# KiCad board imx8x_carrier_v2.kicad_pcb (continued)
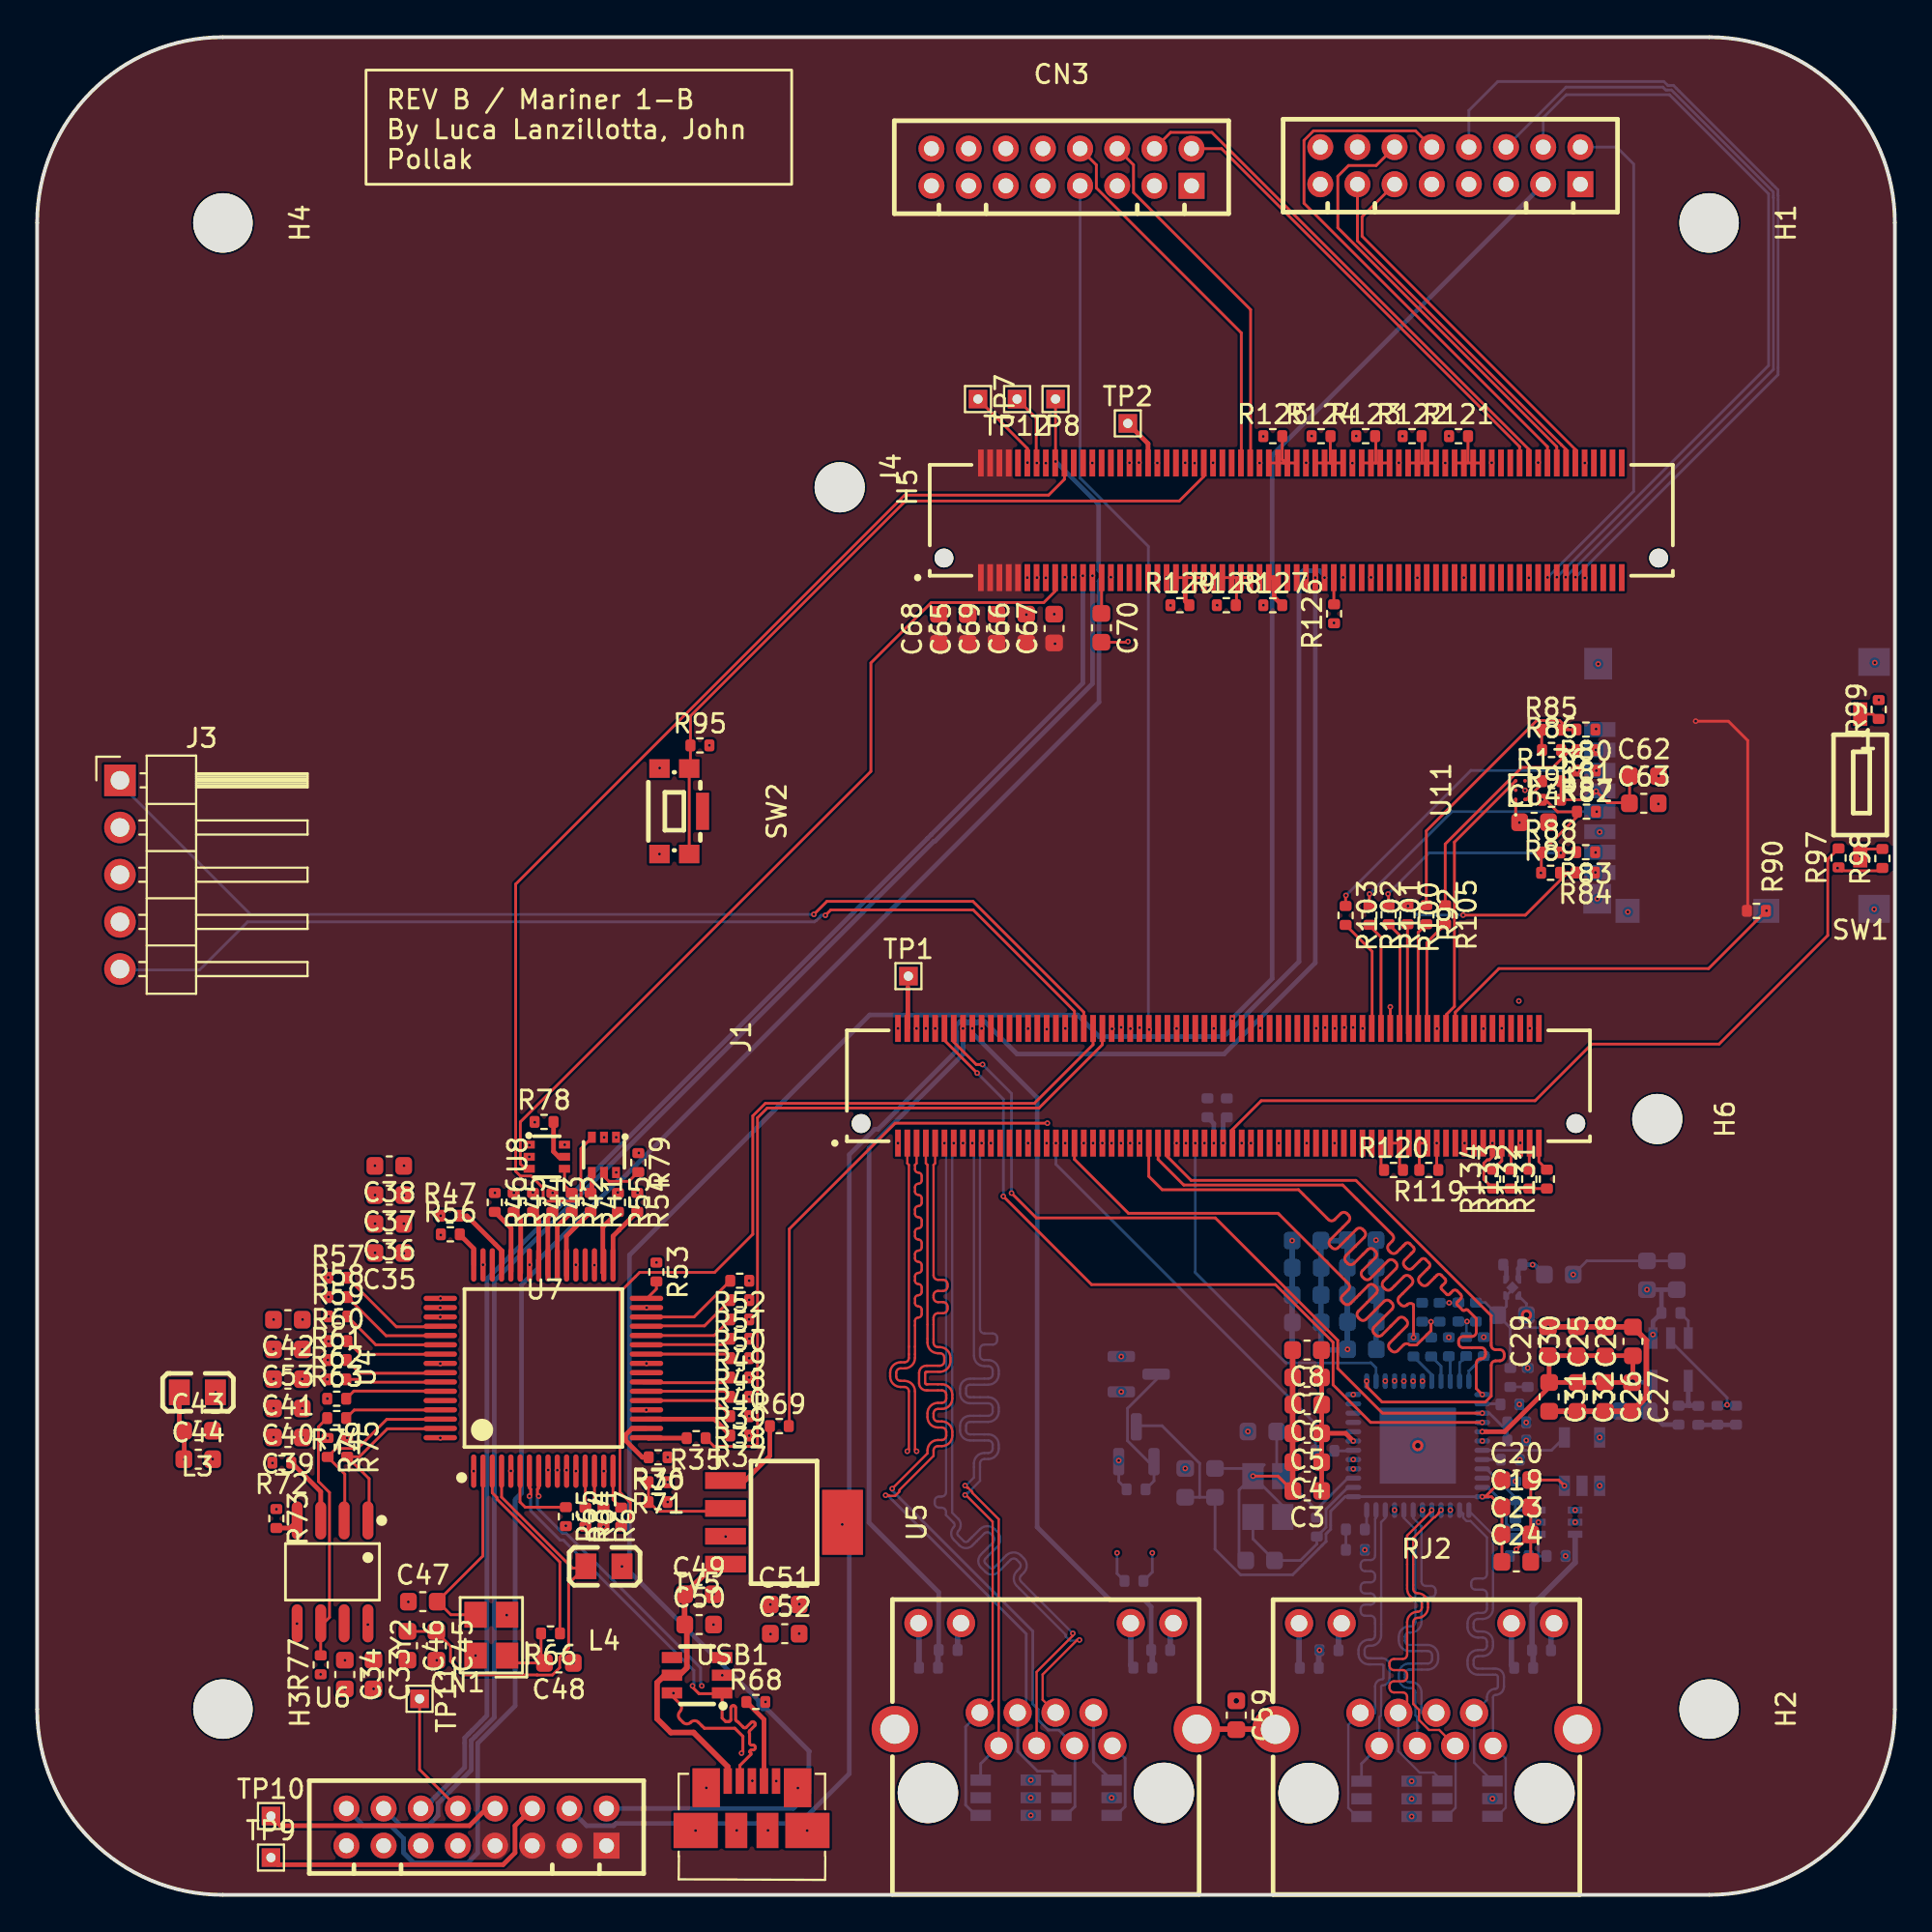
[diagram p0: board, top side]
## Routing (per net, layer and track width the routed paths; a pad name or vN(x,y) marks a point on that pad's centre or on a via; arc(x,y) is an arc through that point) (continued)
  SIG2 w0.124: RJ1.2 56.56,9.81 47.25,19.12 47.25,23.79 v1(47.34,23.88)
  SIG3 w0.15: TV1.1 56.86,7.16 RJ1.2
X_ETH0_A_TX_P: length 43.2
  SIG1 w0.124: J1.138 46.84,39.38 46.93,39.29 46.93,28.9 arc(46.86,28.74) 46.69,28.67 46.48,28.67 arc(46.08,28.5) 45.92,28.1 45.92,27.9 arc(46.08,27.5) 46.48,27.34 46.69,27.34 arc(46.86,27.27) 46.93,27.1 46.93,23.97 v1(46.84,23.88)
  SIG2 w0.124: RJ1.1 57.02,8.89 56.48,8.89 55.94,9.43 55.94,10 55.2,10.73 55.18,10.73 46.93,18.98 46.93,23.79 v1(46.84,23.88)
  SIG3 w0.15: RJ1.1 58.57,7.34 58.57,4.75 58.09,4.28 TV1.3
X_ETH0_B_TX_N: length 47.6
  SIG1 w0.124: J1.132 48.34,39.38 48.25,39.29 48.25,33.35 arc(48.32,33.18) 48.49,33.11 48.77,33.11 arc(48.94,33.04) 49.01,32.87 49.01,32.75 arc(48.94,32.58) 48.77,32.51 48.49,32.51 arc(48.32,32.44) 48.25,32.27 48.25,32.15 arc(48.32,31.98) 48.49,31.91 48.77,31.91 arc(48.94,31.84) 49.01,31.67 49.01,31.55 arc(48.94,31.38) 48.77,31.31 48.49,31.31 arc(48.32,31.24) 48.25,31.07 48.25,29.72 arc(48.32,29.55) 48.49,29.48 48.6,29.48 arc(48.99,29.32) 49.16,28.92 49.16,28.72 arc(48.99,28.32) 48.6,28.16 47.86,28.16 arc(47.82,28.14) 47.8,28.09 47.8,27.55 arc(47.82,27.5) 47.86,27.48 48.7,27.48 arc(49.1,27.32) 49.26,26.92 49.26,26.72 arc(49.1,26.32) 48.7,26.16 48.49,26.16 arc(48.32,26.09) 48.25,25.92 48.25,25.72 arc(48.32,25.55) 48.49,25.48 48.7,25.48 arc(49.1,25.32) 49.26,24.92 49.26,24.72 arc(49.1,24.32) 48.7,24.16 48.49,24.16 arc(48.32,24.09) 48.25,23.92 48.25,23.63 46.42,21.79 46.42,21.71 46.19,21.48 45.87,21.48 45.83,21.51 v1(45.67,21.51)
  SIG3 w0.15: v1(45.67,21.51) 45.78,21.51 53.24,14.05 53.24,10.27 RJ1.6 52.78,7.72 53.85,6.65 54.66,6.65 TV1.6
X_ETH0_B_TX_P: length 46.7
  SIG1 w0.124: v1(46.03,21.87) 47.93,23.76 47.93,23.92 arc(48.09,24.32) 48.49,24.48 48.7,24.48 arc(48.87,24.55) 48.94,24.72 48.94,24.92 arc(48.87,25.09) 48.7,25.16 48.49,25.16 arc(48.09,25.32) 47.93,25.72 47.93,25.92 arc(48.09,26.32) 48.49,26.48 48.7,26.48 arc(48.87,26.55) 48.94,26.72 48.94,26.92 arc(48.87,27.09) 48.7,27.16 47.86,27.16 arc(47.59,27.27) 47.48,27.55 47.48,28.09 arc(47.59,28.37) 47.86,28.48 48.6,28.48 arc(48.76,28.55) 48.83,28.72 48.83,28.92 arc(48.76,29.09) 48.6,29.16 48.49,29.16 arc(48.09,29.32) 47.93,29.72 47.93,39.29 47.84,39.38 J1.134
  SIG3 w0.15: v1(46.03,21.87) 46.03,21.76 53.6,14.19 53.6,10.27 53.88,9.98 53.88,9.42 54.43,8.87 55,8.87 RJ1.3 55.87,8 55.87,4.75 55.39,4.28 TV1.4
X_ETH0_C_TXCLK_N: length 45.2
  SIG1 w0.124: RJ1.5 53.8,12 55.75,13.95 v1(55.75,14.08)
  SIG2 w0.15: RJ1.5 53.09,7.32 53.09,4.68 v1(53.49,4.28)
  SIG3 w0.124: v1(49.34,40.47) 49.25,40.38 49.25,20.57 49.57,20.25 49.57,20.25 arc(49.72,19.91) 49.57,19.57 arc(49.53,19.46) 49.57,19.35 49.89,19.04 arc(50,18.99) 50.11,19.04 50.75,19.68 arc(51.15,19.85) 51.55,19.68 51.69,19.54 arc(51.86,19.14) 51.69,18.74 51.04,18.09 arc(50.99,17.97) 51.04,17.85 51.28,17.62 arc(51.39,17.57) 51.51,17.62 52.17,18.27 arc(52.56,18.43) 52.96,18.27 53.1,18.13 arc(53.27,17.73) 53.1,17.33 52.97,17.19 arc(52.9,17.03) 52.97,16.86 v1(55.75,14.08)
X_ETH0_C_TXCLK_P: length 45.2
  SIG1 w0.124: v1(56.11,13.72) 55.98,13.72 54.13,11.86 54.13,10.5 RJ1.4
  SIG2 w0.15: RJ1.4 54.82,7.51 v1(53.49,6.18)
  SIG3 w0.124: v1(56.11,13.72) 55.94,13.72 55.91,13.69 55.59,13.69 55.36,13.92 55.36,14 52.74,16.63 arc(52.57,17.03) 52.74,17.42 52.87,17.56 arc(52.94,17.73) 52.87,17.9 52.73,18.04 arc(52.56,18.11) 52.4,18.04 51.74,17.38 arc(51.39,17.24) 51.04,17.38 50.81,17.62 arc(50.66,17.97) 50.81,18.32 51.46,18.97 arc(51.53,19.14) 51.46,19.31 51.32,19.45 arc(51.15,19.52) 50.98,19.45 50.34,18.81 arc(50,18.66) 49.65,18.81 49.34,19.12 arc(49.2,19.46) 49.34,19.8 arc(49.39,19.91) 49.34,20.02 48.93,20.44 48.93,20.6 arc(48.86,20.77) 48.69,20.84 48.56,20.84 arc(48.39,20.91) 48.32,21.08 48.32,21.2 arc(48.39,21.37) 48.56,21.44 48.69,21.44 arc(48.86,21.51) 48.93,21.68 48.93,40.38 v1(48.84,40.47)
X_ETH0_D_RXDV_N: length 46.8
  SIG1 w0.124: v1(49.95,21.53) 49.99,21.53 51.43,20.08 51.43,10.5 RJ1.8
  SIG3 w0.124: v1(50.84,40.47) 50.75,40.38 50.75,30.46 arc(50.82,30.29) 50.99,30.22 51.44,30.22 arc(51.61,30.15) 51.68,29.98 51.68,29.86 arc(51.61,29.69) 51.44,29.62 50.99,29.62 arc(50.82,29.55) 50.75,29.38 50.75,29.02 arc(50.82,28.86) 50.99,28.79 51.2,28.79 arc(51.6,28.62) 51.76,28.22 51.76,28.02 arc(51.6,27.63) 51.2,27.46 50.22,27.46 arc(50.07,27.4) 50.01,27.25 50.01,27 arc(50.07,26.85) 50.22,26.79 51.2,26.79 arc(51.6,26.62) 51.76,26.22 51.76,26.02 arc(51.6,25.63) 51.2,25.46 50.22,25.46 arc(50.07,25.4) 50.01,25.25 50.01,25 arc(50.07,24.85) 50.22,24.79 51.2,24.79 arc(51.6,24.62) 51.76,24.22 51.76,24.02 arc(51.6,23.63) 51.2,23.46 50.99,23.46 arc(50.82,23.39) 50.75,23.22 50.75,22.28 50.11,21.64 50.06,21.64 v1(49.95,21.53)
  SIG3 w0.15: TV2.4 50.54,4.28 49.98,4.84 49.98,9.05 RJ1.8
X_ETH0_D_RXDV_P: length 42.8
  SIG1 w0.124: v1(49.95,22.03) 50.06,21.91 50.11,21.91 50.34,21.69 50.34,21.64 51.76,20.22 RJ1.7
  SIG3 w0.124: v1(50.34,40.47) 50.43,40.38 50.43,29.02 arc(50.59,28.63) 50.99,28.46 51.2,28.46 arc(51.37,28.39) 51.44,28.22 51.44,28.02 arc(51.37,27.86) 51.2,27.79 50.22,27.79 arc(49.84,27.63) 49.68,27.25 49.68,27 arc(49.84,26.62) 50.22,26.46 51.2,26.46 arc(51.37,26.39) 51.44,26.22 51.44,26.02 arc(51.37,25.86) 51.2,25.79 50.22,25.79 arc(49.84,25.63) 49.68,25.25 49.68,25 arc(49.84,24.62) 50.22,24.46 51.2,24.46 arc(51.37,24.39) 51.44,24.22 51.44,24.02 arc(51.37,23.86) 51.2,23.79 50.99,23.79 arc(50.59,23.62) 50.43,23.22 50.43,22.47 49.99,22.03 v1(49.95,22.03)
  SIG3 w0.15: TV2.6 50.79,7.06 RJ1.7
X_ETH0_INT: length 2.2
  SIG1 w0.25: J1.137 46.87,46.67 46.87,48.85
X_ETH0_LED0: length 39.5
  SIG3 w0.25: R29.1 59.97,15.5 59.59,15.88 57.75,15.88 53.83,19.8 53.83,42.91 50.34,46.4 v1(50.34,46.64)
  SIG3 w0.3: R27.2 60.03,13.12 R29.1
X_ETH0_LED1: length 38.1
  SIG3 w0.25: v1(49.84,46.64) 49.84,45.25 44.78,40.19 44.78,20.04 48.53,16.29 R28.2
  SIG3 w0.3: R26.2 48.49,13.14 R28.2
X_ETH_GPIO0: length 44.2
  SIG1 w0.15: J1.127 49.34,45.91 50.55,44.7 v1(50.89,44.7) ; v1(77.79,25.93) 72.42,25.93 70.01,28.34 70.01,29.85 63.42,36.44 53.79,36.44 v1(52.45,37.77)
  SIG3 w0.15: 79.14,24.96 78.17,25.93 v1(77.79,25.93) ; 79.14,24.96 R11.2 ; 79.14,24.96 R12.1 ; v1(52.45,37.77) 52.45,43.14 v1(50.89,44.7)
X_ETH_GPIO1: length 42.5
  SIG1 w0.15: v1(50.6,44.24) 48.84,46 J1.129 ; v1(52.01,37.6) 56.76,32.85 66.66,32.85 69.76,29.74 69.76,27.45 71.78,25.43 v1(77.79,25.43)
  SIG3 w0.15: v1(50.6,44.24) 52.01,42.83 v1(52.01,37.6)
X_LSIO_GPIO1_IO09: length 84.9
  SIG3 w0.25: CN1.14 19.58,3.72 21.03,3.72 21.58,4.26 21.58,4.93 23.37,6.72 23.37,8.31 24.61,9.55 24.61,33.05 48.28,56.72 48.33,56.72 56.81,65.2 v1(56.81,71.01)
X_LSIO_GPIO1_IO10: length 81.2
  SIG3 w0.25: CN1.12 20.87,4.65 21.22,5.01 21.22,5.07 23.01,6.86 23.01,8.45 24.21,9.65 24.21,33.15 47.93,56.86 56.29,65.23 v1(56.29,71.01)
X_LSIO_GPIO1_IO12: length 24.3
  SIG2 w0.25: CN3.1 62.14,81.19 54.3,73.35 v1(54.3,70.9)
X_LSIO_GPIO1_IO13: length 23.7
  SIG2 w0.15: v1(53.82,70.91) 53.82,75.65 60.14,81.97 CN3.3
X_LSIO_GPIO1_IO14: length 26
  SIG2 w0.15: v1(55.32,70.93) 54.95,70.56 53.19,70.56 52.97,70.77 52.97,77.32 58.14,82.49 CN3.5
X_LSIO_GPIO1_IO25: length 25.2
  SIG1 w0.15: J4.23 79.8,77.95 63.75,94 CN3.2
X_LSIO_GPIO1_IO26: length 28.2
  SIG1 w0.15: 80.31,77.16 80.31,77.8 63.23,94.87 61.02,94.87 CN3.4
X_LSIO_GPIO1_IO29: length 19.9
  SIG1 w0.15: 65.32,77.12 65.32,85.33 59.02,91.64 59.02,93.12 CN3.6
X_LSIO_GPIO1_IO30: length 20.5
  SIG1 w0.15: 64.82,77.11 64.82,84.08 57.02,91.88 57.02,93.12 CN3.8
X_LSIO_QSPI0B_DATA0: length 47
  SIG3 w0.15: v1(82.81,70.93) 93.71,81.83 93.71,91.46 93.71,91.47 93.71,91.77 88.08,97.4 87.78,97.4 87.57,97.61 78.63,97.61 77.07,96.06 CN2.8
X_LSIO_QSPI0B_DATA1: length 43.4
  SIG3 w0.15: CN2.6 82.3,97.31 87.52,97.31 87.67,97.15 87.98,97.15 93.46,91.67 93.46,91.37 93.46,91.36 93.46,82.11 v1(82.28,70.93)
X_LSIO_QSPI0B_DATA2: length 41.8
  SIG3 w0.15: v1(81.8,70.93) 93.21,82.33 93.21,91.57 87.87,96.9 82.31,96.9 81.07,95.66 CN2.4
X_LSIO_QSPI0B_DATA3: length 27.4
  SIG3 w0.15: v1(81.31,70.92) 85.94,75.55 85.94,93.17 85.03,94.08 CN2.2
X_LSIO_QSPI0B_DQS: length 30.2
  SIG1 w0.15: CN2.10 74.19,94.96 68.71,94.96 68.19,94.44 68.19,91.06 81.3,77.95 J4.17
X_LSIO_QSPI0B_SCLK: length 24
  SIG1 w0.15: CN2.12 72.08,93.09 70.59,93.09 70.02,92.51 70.02,89.74 81.8,77.95 J4.15
X_LSIO_QSPIOB_SS0_B: length 20.5
  SIG1 w0.15: 82.82,77.1 82.82,77.79 71.32,89.29 71.32,90.33 CN2.11
X_LSIO_QSPIOB_SS1_B: length 19.7
  SIG1 w0.15: CN2.13 71.07,89.04 82.05,78.06 82.3,77.81 82.3,77.11 82.27,77.08 J4.13
X_LSO_GPIO1_IO17: length 47
  SIG3 w0.15: CN3.7 56.14,76.26 59.82,72.58 59.82,46.53
  vias: v1(59.86,46.58)
X_LSO_GPIO1_IO18: length 49.2
  GND2 w0.15: v1(59.35,46.68) 52.03,54 52.03,89.89 CN3.9
X_LSO_GPIO1_IO19: length 48.8
  SIG2 w0.25: v1(57.86,46.62) 50.91,53.56 50.91,79.34 51.44,79.86 51.44,91.3 CN3.11
X_LSO_GPIO1_IO20: length 49
  GND2 w0.15: v1(58.35,46.7) 49.77,55.28 49.77,91.63 CN3.13
X_M40_UART0_RX: length 63
  SIG1 w0.15: J4.121 55.3,76.2 54.44,75.35 46.7,75.35 25.76,54.41 25.76,38.95 26.01,38.7 26.59,38.7 27.24,38.05 27.24,37.52 27.41,37.34 29.09,37.34 29.27,37.52 29.27,40.17 29.9,40.8
X_M40_UART0_TX: length 47.6
  SIG1 w0.15: 26.5,39.09 26.27,39.09 26.01,39.35 26.01,41.61 44.88,60.48 44.88,66.31 48.13,69.57 54.19,69.57 54.8,70.18 J4.124
X_PGOOD: length 68
  SIG1 w0.15: v1(54.38,41.54) 46.18,41.54 40.49,35.85 40.49,25.22
  SIG2 w0.15: v1(54.38,41.54) 54.41,41.51 59.01,41.51 60.27,42.77 60.27,76.14 v1(59.31,77.1)
X_POR_B_1V8: length 81.6
  PWR w0.15: v1(60.3,77.08) 62.95,74.43 83.26,74.43 89.93,67.76 89.93,27.84 v1(84.11,22.02)
X_POR_B_3V3: length 2.6
  SIG1 w0.25: J4.103 59.8,78.12 TP2.1
X_SCU_WDOG0_WDOG_OUT: length 102.2
  SIG1 w0.15: TP8.1 54.82,77.15
  SIG3 w0.25: CN1.16 17.58,3.72 19.03,3.72 19.72,3.03 19.72,2.26 20.27,1.72 23.18,1.72 23.72,2.26 23.72,8.16 25.73,10.18 25.73,21.29 26.08,21.63 26.08,32.85 26.96,33.73 26.96,34.15 31.25,38.44 31.39,38.44 32.51,39.56 32.55,39.56 32.77,39.78 32.77,39.81 57.16,64.21 57.16,70.72 57.26,70.82 57.26,71.2 57.14,71.32 57.14,74.84 v1(54.82,77.16)
~{X_nRESET_IN}: length 41.2
  SIG1 w0.15: 35.16,55.93 35.1,55.99 SW2.1 35.17,60.69 R95.1 ; 35.19,61.95 35.17,61.98 35.17,63.46 46.74,75.03 61.48,75.03 62.81,76.36 62.81,77.1
Net-(Card1-CD/DAT3):
  vias: v1(83.91,61.63)
Net-(Card1-CMD):
  vias: v1(83.93,60.52)
Net-(Card1-DAT0):
  vias: v1(83.89,56.11)
Net-(Card1-DAT1):
  vias: v1(83.88,55.04)
Net-(Card1-DAT2):
  vias: v1(83.92,62.76)
Net-(Card1-VDD): length 6.7
  SIG1 w0.15: 85.67,58.79 84.54,58.79 v1(83.92,59.41) ; 83.92,59.39 83.48,58.95 R91.2 ; R136.2 82.03,58.93 ; 85.76,58.69 85.72,58.73 C62.1
Net-(CN1-Pad6): length 16.3
  SIG1 w0.25: TP9.1 12.97,1.63 25.08,1.63 25.72,2.26 25.72,3.72 CN1.6
Net-(CN1-Pad8): length 12.7
  SIG1 w0.25: TP10.1 13.11,3.72 23.27,3.72 24.19,4.65 CN1.8
Net-(CN1-Pad10): length 6.8
  SIG1 w0.15: 22.71,4.62 20.59,6.74 TP11.1
Net-(J1-A13): length 6.3
  SIG1 w0.15: R105.2 74.81,51.26 74.81,46.39
Net-(J1-A14): length 6.1
  SIG1 w0.15: 74.34,46.3 74.34,51.81 R92.2
Net-(J1-A15): length 5.9
  SIG1 w0.15: 73.76,46.38 73.76,46.38 R100.2
Net-(J1-A16): length 6
  SIG1 w0.15: R101.2 73.36,51.64 73.36,46.49
Net-(J1-A18): length 5.8
  SIG1 w0.15: 71.68,52.21 72.34,51.55 J1.35
Net-(J1-A19): length 6.4
  SIG1 w0.15: 71.86,46.44 71.86,50.78 R103.2
Net-(J1-B1): length 1.6
  SIG1 w0.15: R131.2 80.84,39.47 J1.02
Net-(J1-B2): length 1.4
  SIG1 w0.15: R132.2 80.32,40.45 J1.04
Net-(J1-B4): length 1.4
  SIG1 w0.15: J1.08 79.34,39.06 R133.2
Net-(J1-B5): length 1.6
  SIG1 w0.15: J1.10 78.84,39.51 R134.2
Net-(J1-B13): length 2
  SIG1 w0.15: R119.2 74.4,40.4 J1.28 J1.26
Net-(J1-B16): length 2
  SIG1 w0.15: R120.2 73.34,39.2 J1.32 J1.34
Net-(J4-C16): length 3
  SIG1 w0.15: J4.37 77.81,77.08 77.82,77.09 ; R121.2 77.02,77.09
Net-(J4-C21): length 3
  SIG1 w0.15: 75.34,77.09 75.33,77.08 74.55,77.08 ; 74.55,77.08 74.55,78.54 ; 74.55,77.08 J4.47
Net-(J4-C26): length 3.1
  SIG1 w0.15: 72.07,78.57 72.06,78.56 72.06,77.08 ; 72.86,77.09 72.85,77.08 72.06,77.08 ; 72.06,77.08 J4.57
Net-(J4-C31): length 3
  SIG1 w0.15: 69.64,78.52 69.61,78.49 69.61,77.08 ; J4.67 69.61,77.08 ; 69.61,77.08 70.35,77.08
Net-(J4-C36): length 3
  SIG1 w0.15: 67.09,77.08 J4.71 ; 67.09,77.08 67.09,77.19 67.02,77.26 R125.2 ; 67.09,77.08 J4.77
Net-(J4-D32): length 1.5
  SIG1 w0.15: 69.84,69.46 69.8,69.5 J4.64
Net-(J4-D38): length 2.2
  SIG1 w0.25: R127.2 66.59,69.86 66.59,70.91 ; 66.59,70.91 J4.76 ; 66.59,70.91 J4.78
Net-(J4-D41): length 3
  SIG1 w0.15: J4.88 64.56,70.91 ; 64.56,70.91 64.56,69.44 64.55,69.43 ; 64.56,70.91 65.31,70.91 65.32,70.9
Net-(J4-D46): length 3.1
  SIG1 w0.15: 62.86,70.93 62.84,70.91 J4.98
  SIG1 w0.25: J4.96 61.8,69.64 R129.2
Net-(Q1-D): length 33.6
  SIG1 w0.15: C24.1 C19.1 78.29,21.43 v1(77.79,21.43) 77.95,21.43 C20.1
  SIG3 w0.15: 62.58,21.4 62.58,23.22 60.55,25.25 59.17,25.25 ; 62.58,21.4 C21.1 63.4,18.61 64.78,17.23 67.59,17.23 69.38,19.02 69.38,19.43 69.63,19.68 69.63,20.65 70.41,21.43 U1.13 v1(77.79,21.43) ; 62.58,21.4 C22.1
Net-(Q1-G): length 7.9
  SIG3 w0.15: Q1.1 59.82,23.32 58.69,24.45 58.69,26.19 60.23,27.73 Q2.3 ; 60.12,23.38 60.12,22.28 R13.2
Net-(R10-Pad2): length 1.1
  SIG3 w0.15: R17.1 R10.2
Net-(R99-Pad1): length 1.1
  SIG1 w0.15: 99.13,63.25 98.82,63.56 SW1.1
Net-(R115-Pad1): length 2
  SIG3 w0.25: R115.1 91.44,25.3 R138.2
Net-(RJ1-L-): length 1.5
  SIG3 w0.3: RJ1.9 60.99,14.46 R29.2
Net-(RJ1-R-): length 1.5
  SIG3 w0.3: RJ1.11 49.55,14.45 R28.1
Net-(RJ2-L-): length 1.5
  SIG3 w0.3: RJ2.9 81.49,14.46 R32.2
Net-(RJ2-R-): length 1.5
  SIG3 w0.3: RJ2.11 70.05,14.45 R31.1
Net-(U1-CLK_OUT): length 1
  SIG3 w0.15: R7.2 70.82,23.9 U1.18
Net-(U1-RBIAS): length 1.1
  SIG3 w0.15: U1.12 71.57,19.77 R10.1
Net-(U1-RESET_N): length 4.7
  SIG3 w0.15: U2.4 81.52,23.93 U1.43
Net-(U1-RX_CLK): length 1.7
  SIG3 w0.15: R6.1 75.07,28 U1.32
Net-(U1-RX_CTRL): length 1
  SIG3 w0.15: R5.1 78.74,26.43 U1.38
Net-(U1-RX_D0): length 1.5
  SIG3 w0.15: U1.33 75.57,28.45 R1.1
Net-(U1-RX_D1): length 1.4
  SIG3 w0.15: U1.34 76.07,28.91 R2.1
Net-(U1-RX_D2): length 1.5
  SIG3 w0.15: R3.1 76.57,28.64 U1.35
Net-(U1-RX_D3): length 1.7
  SIG3 w0.15: U1.36 77.07,28.2 R4.1
Net-(U1-X_I): length 8.6
  SIG3 w0.15: U1.15 70.55,22.43 68.88,20.76 R9.1 68.88,20.71 Y1.1 66.73,22.86 C1.2
Net-(U1-X_O): length 9.5
  SIG3 w0.15: U1.14 70.55,21.93 69.38,20.76 69.38,19.79 R9.2 68.88,18.88 68,18 C2.2 65.45,19.16 Y1.3
Net-(U4-ACBUS0): length 4.9
  SIG1 w0.15: R48.2 37.09,29.11 32.51,29.11
Net-(U4-ACBUS1): length 4.9
  SIG1 w0.15: 32.51,29.62 37,29.62 R49.2
Net-(U4-ACBUS2): length 5.2
  SIG1 w0.15: R50.2 36.44,30.11 32.42,30.11
Net-(U4-ACBUS3): length 5.3
  SIG1 w0.15: 32.55,30.63 35.92,30.63 R51.2
Net-(U4-ACBUS4): length 5.5
  SIG1 w0.15: 32.58,31.11 35.36,31.11 R52.2
Net-(U4-ACBUS5): length 1.1
  SIG1 w0.15: R53.2 33.33,32.62 ; 33.33,32.61 32.81,32.09
Net-(U4-ACBUS6): length 3.9
  SIG1 w0.25: R54.2 31.32,35.78 31.32,35.78 31,35.46 31,33.39
Net-(U4-ACBUS7): length 3.7
  SIG1 w0.25: 30.49,33.46 30.45,33.5 30.45,35.95 R55.2
Net-(U4-ADBUS0): length 2.2
  SIG1 w0.15: 31.44,20.83 31,21.27 U4.16
Net-(U4-ADBUS1): length 2.1
  SIG1 w0.25: 32.9,24.59 32.9,24.58 R35.2
Net-(U4-ADBUS2): length 3.2
  SIG1 w0.25: 32.77,25.1 32.01,25.1 31.67,24.76 31.67,24.46 32.58,23.55 R36.2
Net-(U4-ADBUS3): length 4.9
  SIG1 w0.25: U4.19 36.45,25.61 37.34,24.72
Net-(U4-ADBUS4): length 4.9
  SIG1 w0.15: U4.21 36.49,26.61 37.36,25.74
Net-(U4-ADBUS5): length 4.7
  SIG1 w0.15: U4.22 37.02,27.11 37.34,26.79
Net-(U4-ADBUS6): length 4.8
  SIG1 w0.15: R40.2 37.02,27.57 32.63,27.57
Net-(U4-BCBUS0): length 1.9
  SIG1 w0.25: 22.77,35.52 23.5,34.79 U4.48
Net-(U4-BCBUS1): length 6.2
  SIG1 w0.15: R57.2 19.34,30.58 21.78,30.58
Net-(U4-BCBUS2): length 5.9
  SIG1 w0.15: R58.2 18.78,30.1 21.78,30.1
Net-(U4-BCBUS3): length 5.7
  SIG1 w0.15: R59.2 18.23,29.61 21.72,29.61
Net-(U4-BCBUS4): length 5.3
  SIG1 w0.15: 21.7,29.1 17.41,29.1 R60.2
Net-(U4-BCBUS5): length 5.3
  SIG1 w0.15: 21.7,28.08 17.37,28.08 R61.2
Net-(U4-BCBUS6): length 5.1
  SIG1 w0.15: 21.7,27.6 17.43,27.6 17.28,27.75 R62.2
Net-(U4-BCBUS7): length 5.2
  SIG1 w0.15: 21.71,27.12 17.05,27.12 R63.2
Net-(U4-BDBUS0): length 4
  SIG1 w0.25: R41.2 28.49,35.46 28.49,33.35
Net-(U4-BDBUS1): length 3.7
  SIG1 w0.25: R42.2 28,35.99 28,33.41
Net-(U4-BDBUS2): length 3.5
  SIG1 w0.25: R43.2 27.49,36.52 27.49,33.38
Net-(U4-BDBUS3): length 3.4
  SIG1 w0.25: 27,33.48 27,36.46 R44.2
Net-(U4-BDBUS4): length 3.5
  SIG1 w0.25: 26.03,33.47 26.03,36.38 R45.2
Net-(U4-BDBUS5): length 3.6
  SIG1 w0.25: R46.2 25.51,35.89 25.51,33.55
Net-(U4-BDBUS6): length 3.8
  SIG1 w0.25: 22.76,36.55 23.14,36.55 25.03,34.66 25.03,33.87
Net-(U4-EECLK): length 10.8
  SIG1 w0.15: 16.56,20.12 16.56,22.65 R76.2 16.09,24.03 17.25,24.03 18.82,25.6 21.75,25.6
Net-(U4-EECS): length 10
  SIG1 w0.15: 21.76,25.09 18.85,25.09 17.34,23.58 R75.2 17.87,22.4 17.87,19.8
Net-(U4-EEDATA): length 5.3
  SIG1 w0.15: 21.71,26.1 17.07,26.1 R74.1
Net-(U4-OSCO): length 10.2
  SIG1 w0.15: U4.3 24.5,21.64 24.75,21.39 24.75,21.3 28.14,17.91 28.14,14.08
Net-(U4-REF): length 4.2
  SIG1 w0.15: 25.99,22.79 25.99,21.15 26.27,20.87 R65.1
Net-(U4-TEST): length 2
  SIG1 w0.15: R64.1 29.51,22.84 29.5,22.85
Net-(U4-VPHY): length 23.3
  SIG1 w0.15: C45.1 19.95,14.18 19.94,14.17 ; 28.14,12.24 27.73,11.83 26.91,11.83 26.91,11.84 22.99,11.84 22.25,12.57 22.25,13.39 21.49,14.15 ; 28.13,12.24 28.13,12.8 28.61,13.28 28.61,16.75 L4.2 ; U4.4 25,21.41 28.82,17.59 29.52,17.59
Net-(U4-VPLL): length 24
  SIG1 w0.25: L3.2 7.65,25.3 7.92,25.03 v1(7.92,23.44) 7.92,23.4
  SIG2 w0.25: v1(7.92,23.44) 9,22.36 27,22.36 v1(27.51,22.87)
Net-(U4-~{RESET}): length 2.2
  SIG1 w0.15: U4.14 30,21.36 30.5,20.86
Net-(U5-ADJ): length 5.4
  SIG1 w0.15: R71.2 32.91,21.17 33.43,20.65 37,20.65 37.07,20.72
Net-(U5-EN): length 4.5
  SIG1 w0.25: U5.1 38.11,22.3 39.44,23.63 39.44,25.22
Net-(U6-DI): length 3.8
  SIG1 w0.25: U6.3 15.27,21.7 13.7,23.27
Net-(U6-DO): length 1.3
  SIG1 w0.25: R73.2 13.61,19.75 14.01,20.15
Net-(U6-ORG): length 13.6
  SIG1 w0.15: R77.2 15.26,14.62 15.28,14.64 ; R74.2 15.14,25.19 15.14,22.25 15.74,21.66 15.74,14.94 15.28,14.48
Net-(U7-OE): length 2.3
  SIG1 w0.25: 28.42,39.71 28.1,39.71 27.8,40.01 R78.2
Net-(U8-OE): length 2.4
  SIG1 w0.15: 32.35,38.91 31.85,38.41 30.78,38.41 30.51,38.67 U8.5
Net-(U9-EN): length 0.9
  SIG3 w0.25: U9.3 79.09,33.75 R114.2
Net-(U10-ADJ): length 2.4
  SIG3 w0.25: R116.2 88.94,26.33 ; 88.94,26.33 89.41,26.33 R115.2 ; 88.94,26.33 88.94,26.44 88.88,26.5 U10.4
Net-(U10-EN): length 1.5
  SIG3 w0.15: R117.2 88.88,30.9 U10.3
unconnected-(J1-A1-Pad01): length 0.1
  SIG1 w0.15: 80.77,46.66 80.86,46.58

## Copper pours and planes (outline as drawn; the poured copper is in the pictures)
GND on SIG3, GND1: -1.24,100.91 101.49,100.91 101.49,-1.34 -1.24,-1.34
GND on SIG2: -1.24,100.91 -1.24,-1.34 101.5,-1.35 101.49,100.91
GND on GND2: -1.24,100.91 -1.24,-1.34 101.5,-1.35 101.49,100.91
GNDPWR on GND2: 43.17,12.05 43.14,1.77 85.15,1.75 85.14,12.05
VCC_3V3 on SIG1: -1.24,100.91 -1.24,-1.34 101.5,-1.35 101.49,100.91
VCC_3V3_OUT on PWR: -1.24,100.91 -1.24,-1.34 101.49,-1.34 101.49,100.91

## Text on the board
User.Comments: Recall that the drawing is a flipped version of this. Because of this the connectors are flipped. X2 on the left X1 on the right.
F.Silkscreen: REV B / Mariner 1-B / By Luca Lanzillotta, John Pollak
